# EAGLE board Mk4 Final Panel (EAGLE 9.0.1), part 10 of 18 (continued)
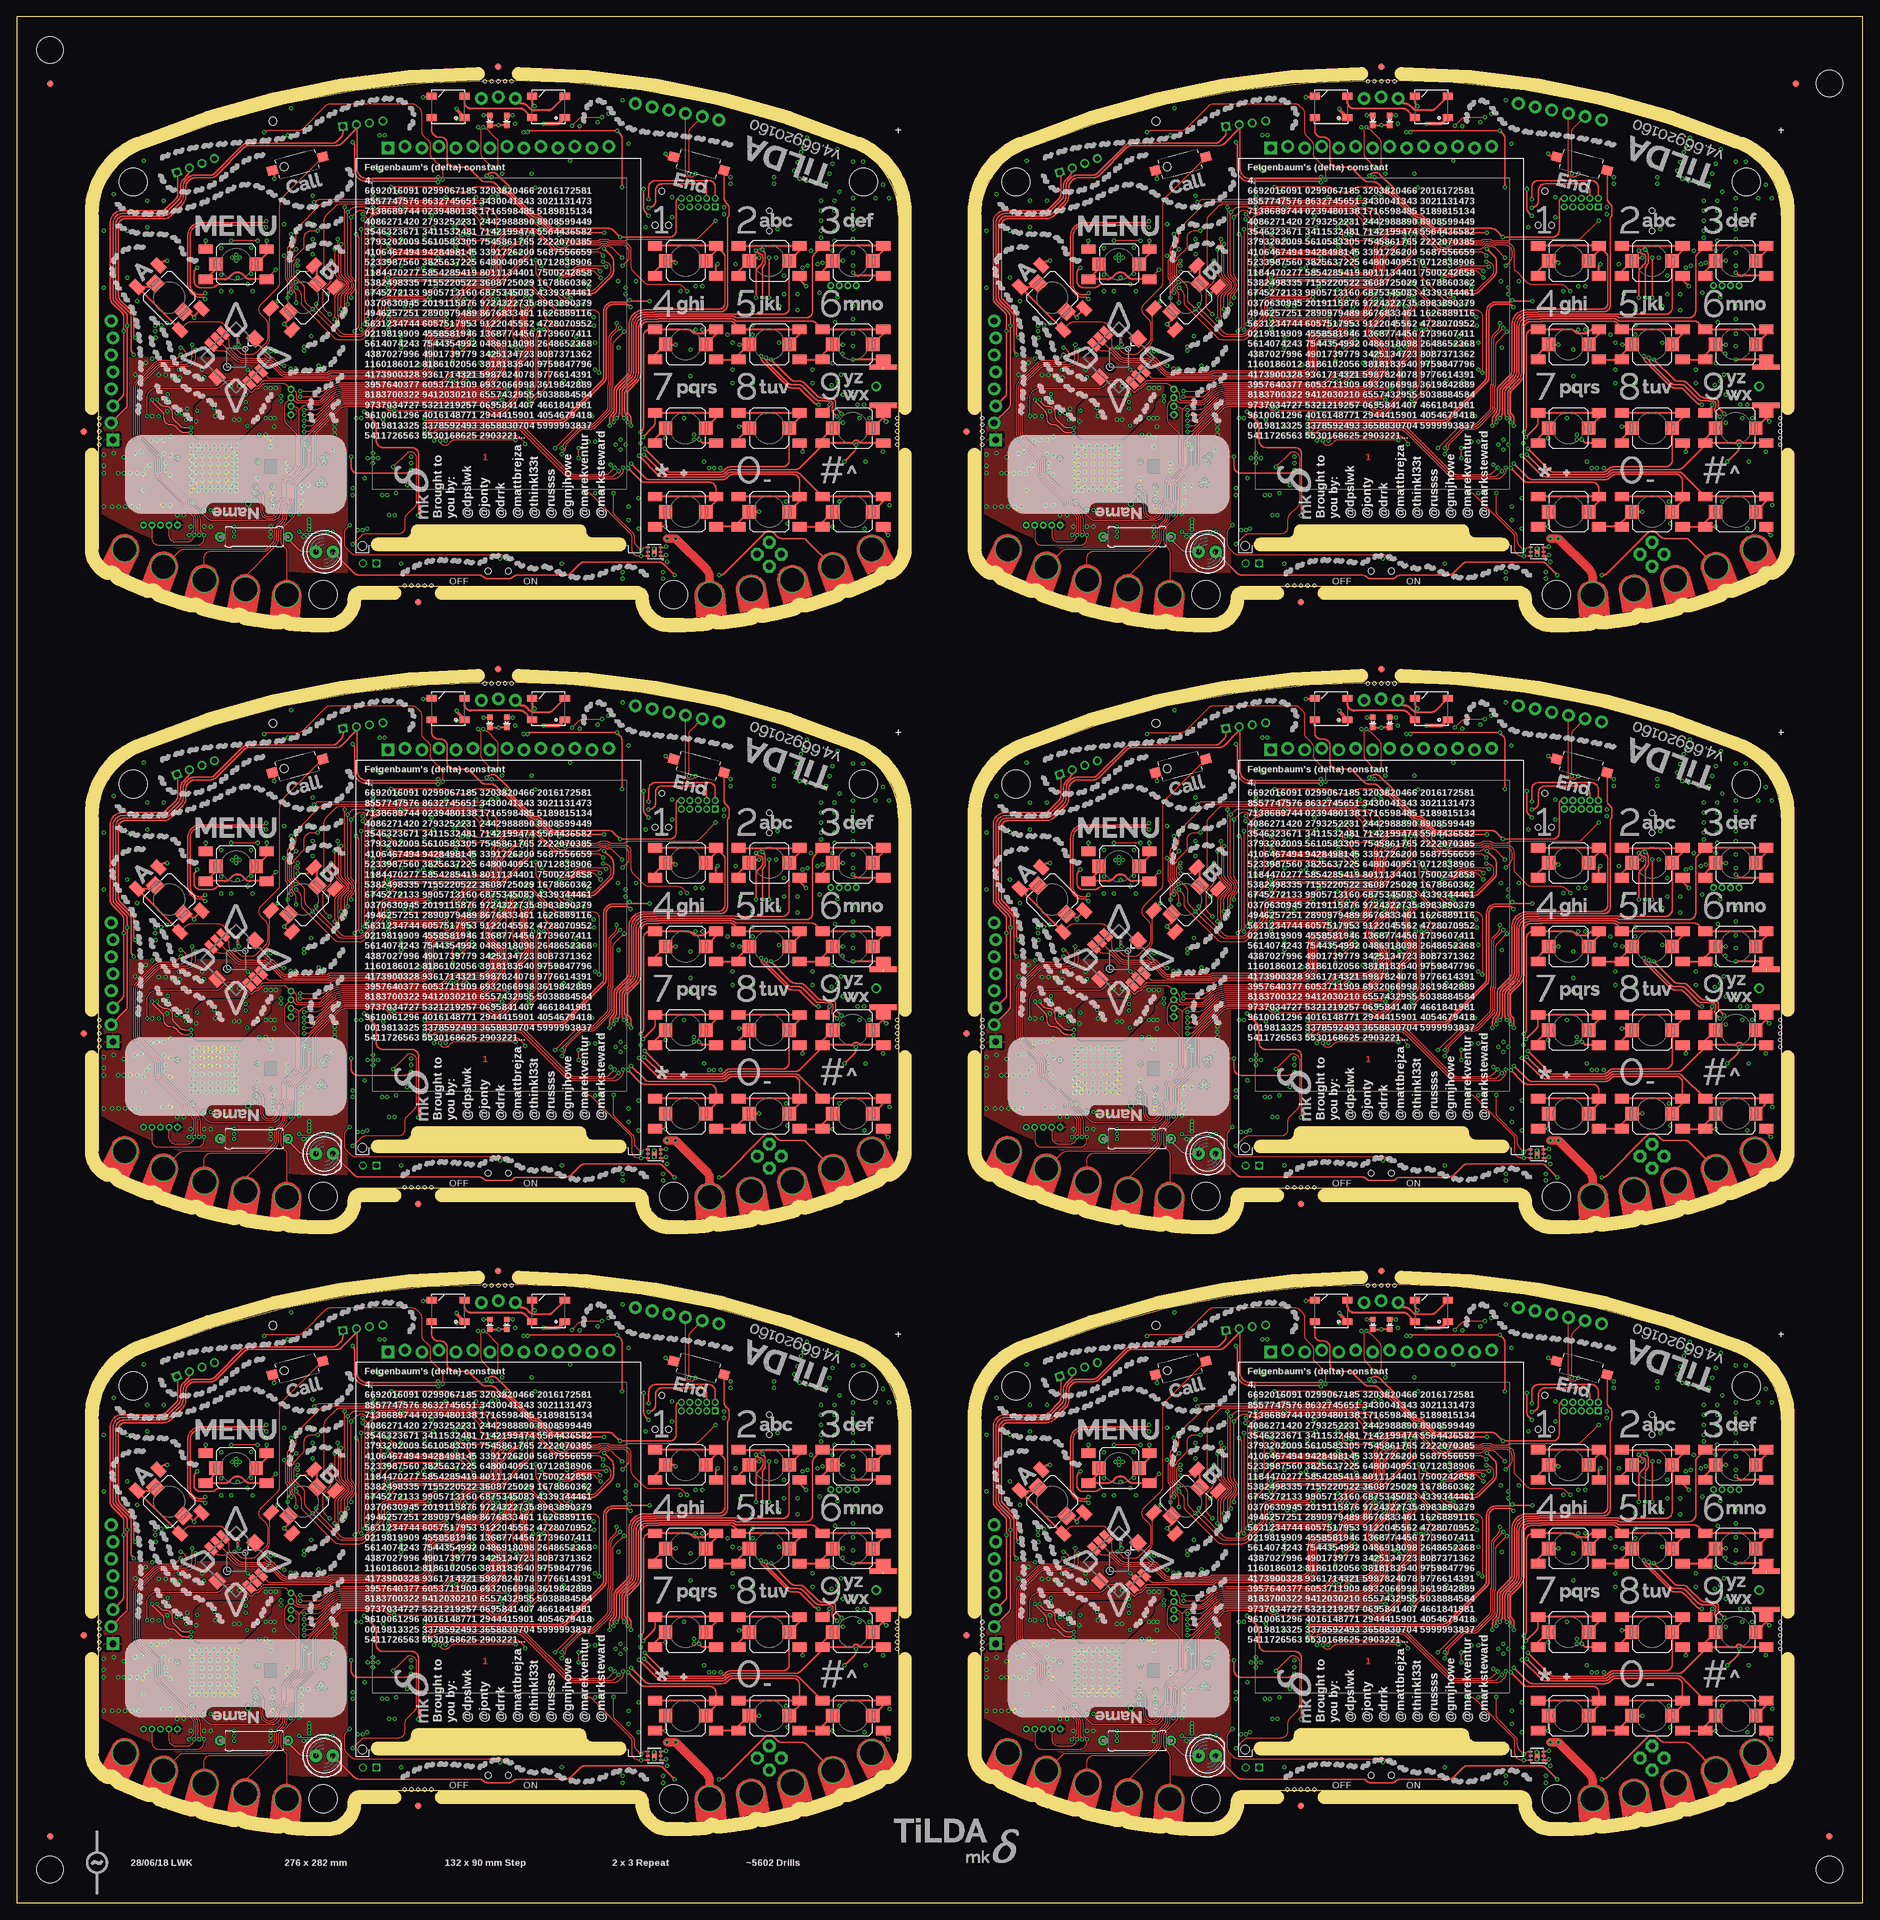
[diagram p0: board, top side]
## Tracks (layer width: path | path; a pad name or v marks a point on that pad's centre or on a via) (continued)
I2C4_SDA4  (via drill 0.3)
  Top 0.15: v84,216 v84,217.5 | v74.58,218.7 65.54,218.7 arc45 64.83,218.41 64.56,218.13 arc-45 64,217.9 arc-90 v63.3,218.6 | IC88.6 v93.35,201.35 93,201.35 arc-90 92,202.35 92,204.09 arc45 91.71,204.79 85.99,210.51 arc45 85.29,210.8 v84.8,210.8
  3V3@2 0.15: v58,238.7 58,244 58.25,244.25 58.25,246.75 59,247.5 61,247.5 63.25,249.75 66.35,249.75 v66.7,249.4
  Bottom 0.15: IC78.6 arc-90 55.45,219 57.36,219 arc-45 58.07,218.71 58.31,218.47 arc45 59.19,218.1 61.82,218.1 arc-45 61.96,218.04 62.04,217.96 arc45 62.18,217.9 62.6,217.9 arc90 v63.3,218.6 63.4,218.7 63.4,222.34 arc45 63.11,223.04 58.69,227.46 arc-45 58.4,228.16 58.4,237.89 arc45 58.11,238.59 v58,238.7 arc45 58.1,238.94 58.1,239.7 R337.1 | IC85.20 86.92,217.25 86.89,217.22 84.66,217.22 arc-45 v84,217.5 83.39,218.11 arc45 82.69,218.4 76.71,218.4 arc-45 76.35,218.55 76.35,218.55 arc45 75.99,218.7 v74.58,218.7 | IC86.6 86.16,213.5 arc-45 85.46,213.79 84.8,214.45 | 84.8,214.45 84.29,214.96 arc-45 84,215.66 v84,216 | v84.8,210.8 84.8,214.45 | IC74.60 66.29,249.6 arc-45 66.65,249.45 v66.7,249.4 | IC89.1 95.47,200.06 arc45 95.18,200.77 94.89,201.06 arc45 94.19,201.35 v93.35,201.35
I2C4_SDA5  (via drill 0.3)
  Top 0.15: v216,216 v216,217.5 | v206.58,218.7 197.54,218.7 arc45 196.83,218.41 196.56,218.13 arc-45 196,217.9 arc-90 v195.3,218.6 | IC106.6 v225.35,201.35 225,201.35 arc-90 224,202.35 224,204.09 arc45 223.71,204.79 217.99,210.51 arc45 217.29,210.8 v216.8,210.8
  3V3@2 0.15: v190,238.7 190,244 190.25,244.25 190.25,246.75 191,247.5 193,247.5 195.25,249.75 198.35,249.75 v198.7,249.4
  Bottom 0.15: IC96.6 arc-90 187.45,219 189.36,219 arc-45 190.07,218.71 190.31,218.47 arc45 191.19,218.1 193.82,218.1 arc-45 193.96,218.04 194.04,217.96 arc45 194.18,217.9 194.6,217.9 arc90 v195.3,218.6 195.4,218.7 195.4,222.34 arc45 195.11,223.04 190.69,227.46 arc-45 190.4,228.16 190.4,237.89 arc45 190.11,238.59 v190,238.7 arc45 190.1,238.94 190.1,239.7 R415.1 | IC103.20 218.92,217.25 218.89,217.22 216.66,217.22 arc-45 v216,217.5 215.39,218.11 arc45 214.69,218.4 208.71,218.4 arc-45 208.35,218.55 208.35,218.55 arc45 207.99,218.7 v206.58,218.7 | IC104.6 218.16,213.5 arc-45 217.46,213.79 216.8,214.45 | 216.8,214.45 216.29,214.96 arc-45 216,215.66 v216,216 | v216.8,210.8 216.8,214.45 | IC92.60 198.29,249.6 arc-45 198.65,249.45 v198.7,249.4 | IC107.1 227.47,200.06 arc45 227.18,200.77 226.89,201.06 arc45 226.19,201.35 v225.35,201.35
I2C5_EXT_SCL  (via drill 0.3)
  Top 0.2: J8.1 48.78,84.69 arc-45 48.49,83.99 47.89,83.39 arc-45 47.19,83.1 34.62,83.1 arc45 33.73,82.73 29.59,78.59 arc-45 28.89,78.3 26.52,78.3 arc45 25.63,77.93 25.27,77.57 arc45 24.9,76.68 24.9,75.27 arc-45 24.46,74.21 22.89,72.64 arc-45 21.83,72.2 16.05,72.2 arc90 14.8,70.95 14.8,60.21 arc45 15.09,59.51 16.81,57.79 arc-45 17.1,57.09 17.1,52.31 arc45 17.39,51.61 v17.5,51.5 | v50.25,83.25 arc-45 50.5,82.65 50.5,79.15 arc90 52.25,77.4 62.85,77.4 v63,77.25
  3V3@2 0.15: v63,77.25 63,74 63.5,73.5 68.02,73.5 68.6,72.92 68.6,70.32 70.28,68.65 70.28,68.38 70.58,68.08 70.85,68.08 76.1,62.82 v76.1,62.2
  Bottom 0.15: IC1.121 78.89,61.6 78.86,61.63 arc45 78.51,61.77 78.38,61.77 arc-45 77.67,62.07 77.21,62.53 arc45 76.86,62.67 76.78,62.67 arc45 76.43,62.53 v76.1,62.2
  Bottom 0.2: IC1.121 80.79,61.6 arc-45 81.15,61.45 81.25,61.35 arc45 81.61,61.2 82.27,61.2 arc-45 82.62,61.05 83.35,60.33 83.35,60.15 R24.1 84.2,59.3 84.2,58.95 arc45 84.33,58.63 arc-45 84.62,57.92 84.62,53.82 arc45 84.92,53.11 85.41,52.62 arc45 86.12,52.33 87.76,52.33 arc-45 88.47,52.03 94.38,46.12 arc-45 94.75,45.23 94.75,39.33 arc45 95.19,38.27 100,33.46 arc45 101.06,33.02 104.66,33.02 arc-45 105.54,32.66 109.11,29.09 arc-45 109.4,28.39 109.4,21.9 109.4,21.51 | JP6.6 17.45,51.45 v17.5,51.5 | PCB.SCL 109.8,17 109.4,17.4 109.4,21.51 | J8.1 49,85.36 49,84.91 arc45 49.29,84.21 v50.25,83.25 | J11.3 111.06,19.85 arc-45 110.35,20.15 109.69,20.81 arc-45 109.4,21.51
  Bottom 0.3: PCB.SCL 110.25,16.84 | J8.5 J8.1
I2C5_EXT_SCL1  (via drill 0.3)
  Top 0.2: J18.1 180.78,84.69 arc-45 180.49,83.99 179.89,83.39 arc-45 179.19,83.1 166.62,83.1 arc45 165.73,82.73 161.59,78.59 arc-45 160.89,78.3 158.52,78.3 arc45 157.63,77.93 157.27,77.57 arc45 156.9,76.68 156.9,75.27 arc-45 156.46,74.21 154.89,72.64 arc-45 153.83,72.2 148.05,72.2 arc90 146.8,70.95 146.8,60.21 arc45 147.09,59.51 148.81,57.79 arc-45 149.1,57.09 149.1,52.31 arc45 149.39,51.61 v149.5,51.5 | v182.25,83.25 arc-45 182.5,82.65 182.5,79.15 arc90 184.25,77.4 194.85,77.4 v195,77.25
  3V3@2 0.15: v195,77.25 195,74 195.5,73.5 200.02,73.5 200.6,72.92 200.6,70.32 202.28,68.65 202.28,68.38 202.58,68.08 202.85,68.08 208.1,62.82 v208.1,62.2
  Bottom 0.15: IC20.121 210.89,61.6 210.86,61.63 arc45 210.51,61.77 210.38,61.77 arc-45 209.68,62.07 209.21,62.53 arc45 208.86,62.67 208.78,62.67 arc45 208.43,62.53 v208.1,62.2
  Bottom 0.2: IC20.121 212.79,61.6 arc-45 213.15,61.45 213.25,61.35 arc45 213.61,61.2 214.27,61.2 arc-45 214.62,61.05 215.35,60.33 215.35,60.15 R106.1 216.2,59.3 216.2,58.95 arc45 216.33,58.63 arc-45 216.62,57.92 216.62,53.82 arc45 216.92,53.11 217.41,52.62 arc45 218.12,52.33 219.76,52.33 arc-45 220.47,52.03 226.38,46.12 arc-45 226.75,45.23 226.75,39.33 arc45 227.19,38.27 232,33.46 arc45 233.06,33.02 236.66,33.02 arc-45 237.54,32.66 241.11,29.09 arc-45 241.4,28.39 241.4,21.9 241.4,21.51 | JP17.6 149.45,51.45 v149.5,51.5 | PCB1.SCL 241.8,17 241.4,17.4 241.4,21.51 | J18.1 181,85.36 181,84.91 arc45 181.29,84.21 v182.25,83.25 | J20.3 243.06,19.85 arc-45 242.35,20.15 241.69,20.81 arc-45 241.4,21.51
  Bottom 0.3: PCB1.SCL 242.25,16.84 | J18.5 J18.1
I2C5_EXT_SCL2  (via drill 0.3)
  Top 0.2: J28.1 48.78,174.69 arc-45 48.49,173.99 47.89,173.39 arc-45 47.19,173.1 34.62,173.1 arc45 33.73,172.73 29.59,168.59 arc-45 28.89,168.3 26.52,168.3 arc45 25.63,167.93 25.27,167.57 arc45 24.9,166.68 24.9,165.27 arc-45 24.46,164.21 22.89,162.64 arc-45 21.83,162.2 16.05,162.2 arc90 14.8,160.95 14.8,150.21 arc45 15.09,149.51 16.81,147.79 arc-45 17.1,147.09 17.1,142.31 arc45 17.39,141.61 v17.5,141.5 | v50.25,173.25 arc-45 50.5,172.65 50.5,169.15 arc90 52.25,167.4 62.85,167.4 v63,167.25
  3V3@2 0.15: v63,167.25 63,164 63.5,163.5 68.02,163.5 68.6,162.92 68.6,160.32 70.28,158.65 70.28,158.38 70.58,158.07 70.85,158.07 76.1,152.82 v76.1,152.2
  Bottom 0.15: IC38.121 78.89,151.6 78.86,151.63 arc45 78.51,151.78 78.38,151.78 arc-45 77.67,152.07 77.21,152.53 arc45 76.86,152.68 76.78,152.68 arc45 76.43,152.53 v76.1,152.2
  Bottom 0.2: IC38.121 80.79,151.6 arc-45 81.15,151.45 81.25,151.35 arc45 81.61,151.2 82.27,151.2 arc-45 82.62,151.05 83.35,150.33 83.35,150.15 R184.1 84.2,149.3 84.2,148.95 arc45 84.33,148.63 arc-45 84.62,147.92 84.62,143.82 arc45 84.92,143.11 85.41,142.62 arc45 86.12,142.32 87.76,142.32 arc-45 88.47,142.03 94.38,136.12 arc-45 94.75,135.23 94.75,129.33 arc45 95.19,128.27 100,123.46 arc45 101.06,123.03 104.66,123.03 arc-45 105.54,122.66 109.11,119.09 arc-45 109.4,118.39 109.4,111.9 109.4,111.51 | JP26.6 17.45,141.45 v17.5,141.5 | PCB2.SCL 109.8,107 109.4,107.4 109.4,111.51 | J28.1 49,175.36 49,174.91 arc45 49.29,174.21 v50.25,173.25 | J30.3 111.06,109.85 arc-45 110.35,110.15 109.69,110.81 arc-45 109.4,111.51
  Bottom 0.3: PCB2.SCL 110.25,106.84 | J28.5 J28.1
I2C5_EXT_SCL3  (via drill 0.3)
  Top 0.2: J38.1 180.78,174.69 arc-45 180.49,173.99 179.89,173.39 arc-45 179.19,173.1 166.62,173.1 arc45 165.73,172.73 161.59,168.59 arc-45 160.89,168.3 158.52,168.3 arc45 157.63,167.93 157.27,167.57 arc45 156.9,166.68 156.9,165.27 arc-45 156.46,164.21 154.89,162.64 arc-45 153.83,162.2 148.05,162.2 arc90 146.8,160.95 146.8,150.21 arc45 147.09,149.51 148.81,147.79 arc-45 149.1,147.09 149.1,142.31 arc45 149.39,141.61 v149.5,141.5 | v182.25,173.25 arc-45 182.5,172.65 182.5,169.15 arc90 184.25,167.4 194.85,167.4 v195,167.25
  3V3@2 0.15: v195,167.25 195,164 195.5,163.5 200.02,163.5 200.6,162.92 200.6,160.32 202.28,158.65 202.28,158.38 202.58,158.07 202.85,158.07 208.1,152.82 v208.1,152.2
  Bottom 0.15: IC56.121 210.89,151.6 210.86,151.63 arc45 210.51,151.78 210.38,151.78 arc-45 209.68,152.07 209.21,152.53 arc45 208.86,152.68 208.78,152.68 arc45 208.43,152.53 v208.1,152.2
  Bottom 0.2: IC56.121 212.79,151.6 arc-45 213.15,151.45 213.25,151.35 arc45 213.61,151.2 214.27,151.2 arc-45 214.62,151.05 215.35,150.33 215.35,150.15 R262.1 216.2,149.3 216.2,148.95 arc45 216.33,148.63 arc-45 216.62,147.92 216.62,143.82 arc45 216.92,143.11 217.41,142.62 arc45 218.12,142.32 219.76,142.32 arc-45 220.47,142.03 226.38,136.12 arc-45 226.75,135.23 226.75,129.33 arc45 227.19,128.27 232,123.46 arc45 233.06,123.03 236.66,123.03 arc-45 237.54,122.66 241.11,119.09 arc-45 241.4,118.39 241.4,111.9 241.4,111.51 | JP35.6 149.45,141.45 v149.5,141.5 | PCB3.SCL 241.8,107 241.4,107.4 241.4,111.51 | J38.1 181,175.36 181,174.91 arc45 181.29,174.21 v182.25,173.25 | J40.3 243.06,109.85 arc-45 242.35,110.15 241.69,110.81 arc-45 241.4,111.51
  Bottom 0.3: PCB3.SCL 242.25,106.84 | J38.5 J38.1
I2C5_EXT_SCL4  (via drill 0.3)
  Top 0.2: J48.1 48.78,264.69 arc-45 48.49,263.99 47.89,263.39 arc-45 47.19,263.1 34.62,263.1 arc45 33.73,262.73 29.59,258.59 arc-45 28.89,258.3 26.52,258.3 arc45 25.63,257.93 25.27,257.57 arc45 24.9,256.68 24.9,255.27 arc-45 24.46,254.21 22.89,252.64 arc-45 21.83,252.2 16.05,252.2 arc90 14.8,250.95 14.8,240.21 arc45 15.09,239.51 16.81,237.79 arc-45 17.1,237.09 17.1,232.31 arc45 17.39,231.61 v17.5,231.5 | v50.25,263.25 arc-45 50.5,262.65 50.5,259.15 arc90 52.25,257.4 62.85,257.4 v63,257.25
  3V3@2 0.15: v63,257.25 63,254 63.5,253.5 68.02,253.5 68.6,252.92 68.6,250.32 70.28,248.65 70.28,248.38 70.58,248.07 70.85,248.07 76.1,242.82 v76.1,242.2
  Bottom 0.15: IC74.121 78.89,241.6 78.86,241.63 arc45 78.51,241.78 78.38,241.78 arc-45 77.67,242.07 77.21,242.53 arc45 76.86,242.68 76.78,242.68 arc45 76.43,242.53 v76.1,242.2
  Bottom 0.2: IC74.121 80.79,241.6 arc-45 81.15,241.45 81.25,241.35 arc45 81.61,241.2 82.27,241.2 arc-45 82.62,241.05 83.35,240.33 83.35,240.15 R340.1 84.2,239.3 84.2,238.95 arc45 84.33,238.63 arc-45 84.62,237.92 84.62,233.82 arc45 84.92,233.11 85.41,232.62 arc45 86.12,232.32 87.76,232.32 arc-45 88.47,232.03 94.38,226.12 arc-45 94.75,225.23 94.75,219.33 arc45 95.19,218.27 100,213.46 arc45 101.06,213.03 104.66,213.03 arc-45 105.54,212.66 109.11,209.09 arc-45 109.4,208.39 109.4,201.9 109.4,201.51 | JP44.6 17.45,231.45 v17.5,231.5 | PCB4.SCL 109.8,197 109.4,197.4 109.4,201.51 | J48.1 49,265.36 49,264.91 arc45 49.29,264.21 v50.25,263.25 | J50.3 111.06,199.85 arc-45 110.35,200.15 109.69,200.81 arc-45 109.4,201.51
  Bottom 0.3: PCB4.SCL 110.25,196.84 | J48.5 J48.1
I2C5_EXT_SCL5  (via drill 0.3)
  Top 0.2: J58.1 180.78,264.69 arc-45 180.49,263.99 179.89,263.39 arc-45 179.19,263.1 166.62,263.1 arc45 165.73,262.73 161.59,258.59 arc-45 160.89,258.3 158.52,258.3 arc45 157.63,257.93 157.27,257.57 arc45 156.9,256.68 156.9,255.27 arc-45 156.46,254.21 154.89,252.64 arc-45 153.83,252.2 148.05,252.2 arc90 146.8,250.95 146.8,240.21 arc45 147.09,239.51 148.81,237.79 arc-45 149.1,237.09 149.1,232.31 arc45 149.39,231.61 v149.5,231.5 | v182.25,263.25 arc-45 182.5,262.65 182.5,259.15 arc90 184.25,257.4 194.85,257.4 v195,257.25
  3V3@2 0.15: v195,257.25 195,254 195.5,253.5 200.02,253.5 200.6,252.92 200.6,250.32 202.28,248.65 202.28,248.38 202.58,248.07 202.85,248.07 208.1,242.82 v208.1,242.2
  Bottom 0.15: IC92.121 210.89,241.6 210.86,241.63 arc45 210.51,241.78 210.38,241.78 arc-45 209.68,242.07 209.21,242.53 arc45 208.86,242.68 208.78,242.68 arc45 208.43,242.53 v208.1,242.2
  Bottom 0.2: IC92.121 212.79,241.6 arc-45 213.15,241.45 213.25,241.35 arc45 213.61,241.2 214.27,241.2 arc-45 214.62,241.05 215.35,240.33 215.35,240.15 R418.1 216.2,239.3 216.2,238.95 arc45 216.33,238.63 arc-45 216.62,237.92 216.62,233.82 arc45 216.92,233.11 217.41,232.62 arc45 218.12,232.32 219.76,232.32 arc-45 220.47,232.03 226.38,226.12 arc-45 226.75,225.23 226.75,219.33 arc45 227.19,218.27 232,213.46 arc45 233.06,213.03 236.66,213.03 arc-45 237.54,212.66 241.11,209.09 arc-45 241.4,208.39 241.4,201.9 241.4,201.51 | JP53.6 149.45,231.45 v149.5,231.5 | PCB5.SCL 241.8,197 241.4,197.4 241.4,201.51 | J58.1 181,265.36 181,264.91 arc45 181.29,264.21 v182.25,263.25 | J60.3 243.06,199.85 arc-45 242.35,200.15 241.69,200.81 arc-45 241.4,201.51
  Bottom 0.3: PCB5.SCL 242.25,196.84 | J58.5 J58.1
I2C5_EXT_SDA  (via drill 0.3)
  Top 0.2: v17.75,54 17.73,54.02 arc-45 17.5,54.57 17.5,57.24 arc45 17.21,57.94 15.49,59.66 arc-45 15.2,60.36 15.2,70.8 arc-90 16.2,71.8 21.88,71.8 arc45 23.11,72.31 24.79,73.99 arc45 25.3,75.22 25.3,76.64 arc-45 25.59,77.34 25.86,77.61 arc-45 26.56,77.9 28.93,77.9 arc45 29.82,78.27 34.01,82.46 arc-45 34.71,82.75 47.84,82.75 arc45 48.54,83.04 50.76,85.26 J8.2 50.76,85.24 50.9,85.1 50.9,79.3 arc90 52.4,77.8 62.8,77.8 v63,78
  3V3@2 0.15: v75.3,62.2 75.3,63.2 70.72,67.78 70.46,67.78 69.97,68.26 69.97,68.53 68.3,70.2 68.3,72.8 67.9,73.2 63.3,73.2 62.7,73.8 62.7,76.7 62.4,77 62.4,77.4 v63,78
  Bottom 0.15: IC1.120 78.92,62 arc-45 78.91,62 arc45 78.74,62.08 arc-45 78.03,62.37 77.72,62.68 arc45 77.01,62.98 76.49,62.98 arc45 75.78,62.68 v75.3,62.2
  Bottom 0.2: IC1.120 80.92,62 arc-45 81.28,61.85 81.43,61.7 arc45 81.78,61.56 82.99,61.56 arc-45 83.34,61.41 R23.1 84.2,60.55 arc45 84.56,60.4 84.9,60.4 arc-90 85.4,59.9 85.4,59.21 arc-45 85.11,58.51 84.97,58.38 84.97,53.96 arc45 85.27,53.26 85.56,52.97 arc45 86.26,52.67 87.91,52.67 arc-45 88.62,52.38 94.66,46.34 arc-45 95.1,45.28 95.1,39.37 arc45 95.47,38.49 100.19,33.77 arc45 101.07,33.4 105.49,33.4 arc-45 106.19,33.11 109.56,29.75 arc-45 109.85,29.04 109.85,22.92 arc45 110.14,22.21 J11.4 112.09,21.65 arc-45 112.79,21.36 115.71,18.44 arc-45 PCB.SDA | JP6.7 v17.74,53.99 v17.75,54
  Bottom 0.3: J8.6 J8.2
I2C5_EXT_SDA1  (via drill 0.3)
  Top 0.2: v149.75,54 149.72,54.02 arc-45 149.5,54.57 149.5,57.24 arc45 149.21,57.94 147.49,59.66 arc-45 147.2,60.36 147.2,70.8 arc-90 148.2,71.8 153.88,71.8 arc45 155.11,72.31 156.79,73.99 arc45 157.3,75.22 157.3,76.64 arc-45 157.59,77.34 157.86,77.61 arc-45 158.56,77.9 160.93,77.9 arc45 161.82,78.27 166.01,82.46 arc-45 166.71,82.75 179.84,82.75 arc45 180.54,83.04 182.76,85.26 J18.2 182.76,85.24 182.9,85.1 182.9,79.3 arc90 184.4,77.8 194.8,77.8 v195,78
  3V3@2 0.15: v207.3,62.2 207.3,63.2 202.72,67.78 202.46,67.78 201.97,68.26 201.97,68.53 200.3,70.2 200.3,72.8 199.9,73.2 195.3,73.2 194.7,73.8 194.7,76.7 194.4,77 194.4,77.4 v195,78
  Bottom 0.15: IC20.120 210.92,62 arc-45 210.91,62 arc45 210.74,62.08 arc-45 210.03,62.37 209.72,62.68 arc45 209.01,62.98 208.49,62.98 arc45 207.78,62.68 v207.3,62.2
  Bottom 0.2: IC20.120 212.93,62 arc-45 213.28,61.85 213.43,61.7 arc45 213.78,61.56 214.99,61.56 arc-45 215.34,61.41 R105.1 216.2,60.55 arc45 216.56,60.4 216.9,60.4 arc-90 217.4,59.9 217.4,59.21 arc-45 217.11,58.51 216.97,58.38 216.97,53.96 arc45 217.27,53.26 217.56,52.97 arc45 218.26,52.67 219.91,52.67 arc-45 220.62,52.38 226.66,46.34 arc-45 227.1,45.28 227.1,39.37 arc45 227.47,38.49 232.19,33.77 arc45 233.07,33.4 237.49,33.4 arc-45 238.19,33.11 241.56,29.75 arc-45 241.85,29.04 241.85,22.92 arc45 242.14,22.21 J20.4 244.09,21.65 arc-45 244.79,21.36 247.71,18.44 arc-45 PCB1.SDA | JP17.7 v149.74,53.99 v149.75,54
  Bottom 0.3: J18.6 J18.2
I2C5_EXT_SDA2  (via drill 0.3)
  Top 0.2: v17.75,144 17.73,144.03 arc-45 17.5,144.57 17.5,147.24 arc45 17.21,147.94 15.49,149.66 arc-45 15.2,150.36 15.2,160.8 arc-90 16.2,161.8 21.88,161.8 arc45 23.11,162.31 24.79,163.99 arc45 25.3,165.22 25.3,166.64 arc-45 25.59,167.34 25.86,167.61 arc-45 26.56,167.9 28.93,167.9 arc45 29.82,168.27 34.01,172.46 arc-45 34.71,172.75 47.84,172.75 arc45 48.54,173.04 50.76,175.26 J28.2 50.76,175.24 50.9,175.1 50.9,169.3 arc90 52.4,167.8 62.8,167.8 v63,168
  3V3@2 0.15: v75.3,152.2 75.3,153.2 70.72,157.78 70.46,157.78 69.97,158.26 69.97,158.53 68.3,160.2 68.3,162.8 67.9,163.2 63.3,163.2 62.7,163.8 62.7,166.7 62.4,167 62.4,167.4 v63,168
  Bottom 0.15: IC38.120 78.92,152 arc-45 78.91,152 arc45 78.74,152.07 arc-45 78.03,152.37 77.72,152.68 arc45 77.01,152.97 76.49,152.97 arc45 75.78,152.68 v75.3,152.2
  Bottom 0.2: IC38.120 80.92,152 arc-45 81.28,151.85 81.43,151.7 arc45 81.78,151.56 82.99,151.56 arc-45 83.34,151.41 R183.1 84.2,150.55 arc45 84.56,150.4 84.9,150.4 arc-90 85.4,149.9 85.4,149.21 arc-45 85.11,148.51 84.97,148.38 84.97,143.96 arc45 85.27,143.25 85.56,142.97 arc45 86.26,142.68 87.91,142.68 arc-45 88.62,142.38 94.66,136.34 arc-45 95.1,135.28 95.1,129.37 arc45 95.47,128.49 100.19,123.77 arc45 101.07,123.4 105.49,123.4 arc-45 106.19,123.11 109.56,119.75 arc-45 109.85,119.04 109.85,112.92 arc45 110.14,112.21 J30.4 112.09,111.65 arc-45 112.79,111.36 115.71,108.44 arc-45 PCB2.SDA | JP26.7 v17.74,143.99 v17.75,144
  Bottom 0.3: J28.6 J28.2
I2C5_EXT_SDA3  (via drill 0.3)
  Top 0.2: v149.75,144 149.72,144.03 arc-45 149.5,144.57 149.5,147.24 arc45 149.21,147.94 147.49,149.66 arc-45 147.2,150.36 147.2,160.8 arc-90 148.2,161.8 153.88,161.8 arc45 155.11,162.31 156.79,163.99 arc45 157.3,165.22 157.3,166.64 arc-45 157.59,167.34 157.86,167.61 arc-45 158.56,167.9 160.93,167.9 arc45 161.82,168.27 166.01,172.46 arc-45 166.71,172.75 179.84,172.75 arc45 180.54,173.04 182.76,175.26 J38.2 182.76,175.24 182.9,175.1 182.9,169.3 arc90 184.4,167.8 194.8,167.8 v195,168
  3V3@2 0.15: v207.3,152.2 207.3,153.2 202.72,157.78 202.46,157.78 201.97,158.26 201.97,158.53 200.3,160.2 200.3,162.8 199.9,163.2 195.3,163.2 194.7,163.8 194.7,166.7 194.4,167 194.4,167.4 v195,168
  Bottom 0.15: IC56.120 210.92,152 arc-45 210.91,152 arc45 210.74,152.07 arc-45 210.03,152.37 209.72,152.68 arc45 209.01,152.97 208.49,152.97 arc45 207.78,152.68 v207.3,152.2
  Bottom 0.2: IC56.120 212.93,152 arc-45 213.28,151.85 213.43,151.7 arc45 213.78,151.56 214.99,151.56 arc-45 215.34,151.41 R261.1 216.2,150.55 arc45 216.56,150.4 216.9,150.4 arc-90 217.4,149.9 217.4,149.21 arc-45 217.11,148.51 216.97,148.38 216.97,143.96 arc45 217.27,143.25 217.56,142.97 arc45 218.26,142.68 219.91,142.68 arc-45 220.62,142.38 226.66,136.34 arc-45 227.1,135.28 227.1,129.37 arc45 227.47,128.49 232.19,123.77 arc45 233.07,123.4 237.49,123.4 arc-45 238.19,123.11 241.56,119.75 arc-45 241.85,119.04 241.85,112.92 arc45 242.14,112.21 J40.4 244.09,111.65 arc-45 244.79,111.36 247.71,108.44 arc-45 PCB3.SDA | JP35.7 v149.74,143.99 v149.75,144
  Bottom 0.3: J38.6 J38.2
I2C5_EXT_SDA4  (via drill 0.3)
  Top 0.2: v17.75,234 17.73,234.03 arc-45 17.5,234.57 17.5,237.24 arc45 17.21,237.94 15.49,239.66 arc-45 15.2,240.36 15.2,250.8 arc-90 16.2,251.8 21.88,251.8 arc45 23.11,252.31 24.79,253.99 arc45 25.3,255.22 25.3,256.64 arc-45 25.59,257.34 25.86,257.61 arc-45 26.56,257.9 28.93,257.9 arc45 29.82,258.27 34.01,262.46 arc-45 34.71,262.75 47.84,262.75 arc45 48.54,263.04 50.76,265.26 J48.2 50.76,265.24 50.9,265.1 50.9,259.3 arc90 52.4,257.8 62.8,257.8 v63,258
  3V3@2 0.15: v75.3,242.2 75.3,243.2 70.72,247.78 70.46,247.78 69.97,248.26 69.97,248.53 68.3,250.2 68.3,252.8 67.9,253.2 63.3,253.2 62.7,253.8 62.7,256.7 62.4,257 62.4,257.4 v63,258
  Bottom 0.15: IC74.120 78.92,242 arc-45 78.91,242 arc45 78.74,242.07 arc-45 78.03,242.37 77.72,242.68 arc45 77.01,242.97 76.49,242.97 arc45 75.78,242.68 v75.3,242.2
  Bottom 0.2: IC74.120 80.92,242 arc-45 81.28,241.85 81.43,241.7 arc45 81.78,241.56 82.99,241.56 arc-45 83.34,241.41 R339.1 84.2,240.55 arc45 84.56,240.4 84.9,240.4 arc-90 85.4,239.9 85.4,239.21 arc-45 85.11,238.51 84.97,238.38 84.97,233.96 arc45 85.27,233.25 85.56,232.97 arc45 86.26,232.68 87.91,232.68 arc-45 88.62,232.38 94.66,226.34 arc-45 95.1,225.28 95.1,219.37 arc45 95.47,218.49 100.19,213.77 arc45 101.07,213.4 105.49,213.4 arc-45 106.19,213.11 109.56,209.75 arc-45 109.85,209.04 109.85,202.92 arc45 110.14,202.21 J50.4 112.09,201.65 arc-45 112.79,201.36 115.71,198.44 arc-45 PCB4.SDA | JP44.7 v17.74,233.99 v17.75,234
  Bottom 0.3: J48.6 J48.2
I2C5_EXT_SDA5  (via drill 0.3)
  Top 0.2: v149.75,234 149.72,234.03 arc-45 149.5,234.57 149.5,237.24 arc45 149.21,237.94 147.49,239.66 arc-45 147.2,240.36 147.2,250.8 arc-90 148.2,251.8 153.88,251.8 arc45 155.11,252.31 156.79,253.99 arc45 157.3,255.22 157.3,256.64 arc-45 157.59,257.34 157.86,257.61 arc-45 158.56,257.9 160.93,257.9 arc45 161.82,258.27 166.01,262.46 arc-45 166.71,262.75 179.84,262.75 arc45 180.54,263.04 182.76,265.26 J58.2 182.76,265.24 182.9,265.1 182.9,259.3 arc90 184.4,257.8 194.8,257.8 v195,258
  3V3@2 0.15: v207.3,242.2 207.3,243.2 202.72,247.78 202.46,247.78 201.97,248.26 201.97,248.53 200.3,250.2 200.3,252.8 199.9,253.2 195.3,253.2 194.7,253.8 194.7,256.7 194.4,257 194.4,257.4 v195,258
  Bottom 0.15: IC92.120 210.92,242 arc-45 210.91,242 arc45 210.74,242.07 arc-45 210.03,242.37 209.72,242.68 arc45 209.01,242.97 208.49,242.97 arc45 207.78,242.68 v207.3,242.2
  Bottom 0.2: IC92.120 212.93,242 arc-45 213.28,241.85 213.43,241.7 arc45 213.78,241.56 214.99,241.56 arc-45 215.34,241.41 R417.1 216.2,240.55 arc45 216.56,240.4 216.9,240.4 arc-90 217.4,239.9 217.4,239.21 arc-45 217.11,238.51 216.97,238.38 216.97,233.96 arc45 217.27,233.25 217.56,232.97 arc45 218.26,232.68 219.91,232.68 arc-45 220.62,232.38 226.66,226.34 arc-45 227.1,225.28 227.1,219.37 arc45 227.47,218.49 232.19,213.77 arc45 233.07,213.4 237.49,213.4 arc-45 238.19,213.11 241.56,209.75 arc-45 241.85,209.04 241.85,202.92 arc45 242.14,202.21 J60.4 244.09,201.65 arc-45 244.79,201.36 247.71,198.44 arc-45 PCB5.SDA | JP53.7 v149.74,233.99 v149.75,234
  Bottom 0.3: J58.6 J58.2
JOY_CEN  (via drill 0.3)
  Top 0.15: SW1.CTR 32.77,51.02 arc45 33.66,50.66 36.79,50.66 arc-45 37.15,50.51 37.16,50.5 arc45 37.52,50.35 37.78,50.35 arc-45 38.13,50.2 39.49,48.84 arc45 40.38,48.48 46.44,48.48 arc45 46.61,48.55 46.74,48.68 arc-45 46.92,48.75 60.28,48.75 arc90 61.45,49.92 61.45,53.59 arc-90 62.56,54.7 64.85,54.7 arc90 66.1,55.95 66.1,56.35 arc-90 67.35,57.6 68.92,57.6 arc45 69.27,57.75 69.75,58.23 arc45 69.9,58.58 69.9,59.09 arc-45 70.05,59.45 v71.2,60.6
  Bottom 0.15: v71.2,60.6 70.99,60.81 arc-45 70.7,61.51 70.7,66.09 arc45 70.41,66.79 68.89,68.31 arc-45 68.6,69.01 IC1.72
JOY_CEN1  (via drill 0.3)
  Top 0.15: SW2.CTR 164.78,51.02 arc45 165.66,50.66 168.79,50.66 arc-45 169.15,50.51 169.16,50.5 arc45 169.52,50.35 169.78,50.35 arc-45 170.13,50.2 171.49,48.84 arc45 172.38,48.48 178.44,48.48 arc45 178.62,48.55 178.74,48.68 arc-45 178.92,48.75 192.28,48.75 arc90 193.45,49.92 193.45,53.59 arc-90 194.56,54.7 196.85,54.7 arc90 198.1,55.95 198.1,56.35 arc-90 199.35,57.6 200.92,57.6 arc45 201.27,57.75 201.75,58.23 arc45 201.9,58.58 201.9,59.09 arc-45 202.05,59.45 v203.2,60.6
  Bottom 0.15: v203.2,60.6 202.99,60.81 arc-45 202.7,61.51 202.7,66.09 arc45 202.41,66.79 200.89,68.31 arc-45 200.6,69.01 IC20.72
JOY_CEN2  (via drill 0.3)
  Top 0.15: SW3.CTR 32.77,141.03 arc45 33.66,140.66 36.79,140.66 arc-45 37.15,140.51 37.16,140.5 arc45 37.52,140.35 37.78,140.35 arc-45 38.13,140.2 39.49,138.84 arc45 40.38,138.47 46.44,138.47 arc45 46.61,138.55 46.74,138.68 arc-45 46.92,138.75 60.28,138.75 arc90 61.45,139.92 61.45,143.59 arc-90 62.56,144.7 64.85,144.7 arc90 66.1,145.95 66.1,146.35 arc-90 67.35,147.6 68.92,147.6 arc45 69.27,147.75 69.75,148.23 arc45 69.9,148.58 69.9,149.09 arc-45 70.05,149.45 v71.2,150.6
  Bottom 0.15: v71.2,150.6 70.99,150.81 arc-45 70.7,151.51 70.7,156.09 arc45 70.41,156.79 68.89,158.31 arc-45 68.6,159.01 IC38.72
JOY_CEN3  (via drill 0.3)
  Top 0.15: SW4.CTR 164.78,141.03 arc45 165.66,140.66 168.79,140.66 arc-45 169.15,140.51 169.16,140.5 arc45 169.52,140.35 169.78,140.35 arc-45 170.13,140.2 171.49,138.84 arc45 172.38,138.47 178.44,138.47 arc45 178.62,138.55 178.74,138.68 arc-45 178.92,138.75 192.28,138.75 arc90 193.45,139.92 193.45,143.59 arc-90 194.56,144.7 196.85,144.7 arc90 198.1,145.95 198.1,146.35 arc-90 199.35,147.6 200.92,147.6 arc45 201.27,147.75 201.75,148.23 arc45 201.9,148.58 201.9,149.09 arc-45 202.05,149.45 v203.2,150.6
  Bottom 0.15: v203.2,150.6 202.99,150.81 arc-45 202.7,151.51 202.7,156.09 arc45 202.41,156.79 200.89,158.31 arc-45 200.6,159.01 IC56.72
JOY_CEN4  (via drill 0.3)
  Top 0.15: SW5.CTR 32.77,231.03 arc45 33.66,230.66 36.79,230.66 arc-45 37.15,230.51 37.16,230.5 arc45 37.52,230.35 37.78,230.35 arc-45 38.13,230.2 39.49,228.84 arc45 40.38,228.47 46.44,228.47 arc45 46.61,228.55 46.74,228.68 arc-45 46.92,228.75 60.28,228.75 arc90 61.45,229.92 61.45,233.59 arc-90 62.56,234.7 64.85,234.7 arc90 66.1,235.95 66.1,236.35 arc-90 67.35,237.6 68.92,237.6 arc45 69.27,237.75 69.75,238.23 arc45 69.9,238.58 69.9,239.09 arc-45 70.05,239.45 v71.2,240.6
  Bottom 0.15: v71.2,240.6 70.99,240.81 arc-45 70.7,241.51 70.7,246.09 arc45 70.41,246.79 68.89,248.31 arc-45 68.6,249.01 IC74.72
JOY_CEN5  (via drill 0.3)